# Altium PCB PMSM_Driver.PcbDoc (part 2 of 2)
Units mm, origin at the board's own origin, x right, y up, seen from the top; angles counter-clockwise.
Board outline 245.25 x 200.25 mm, 2 copper layers (Top Layer, Bottom Layer), stack 1.371 mm thick; 369 components, 141 nets, 782 pads, 0 vias.
Unrouted connection lines stored in the file: 623.
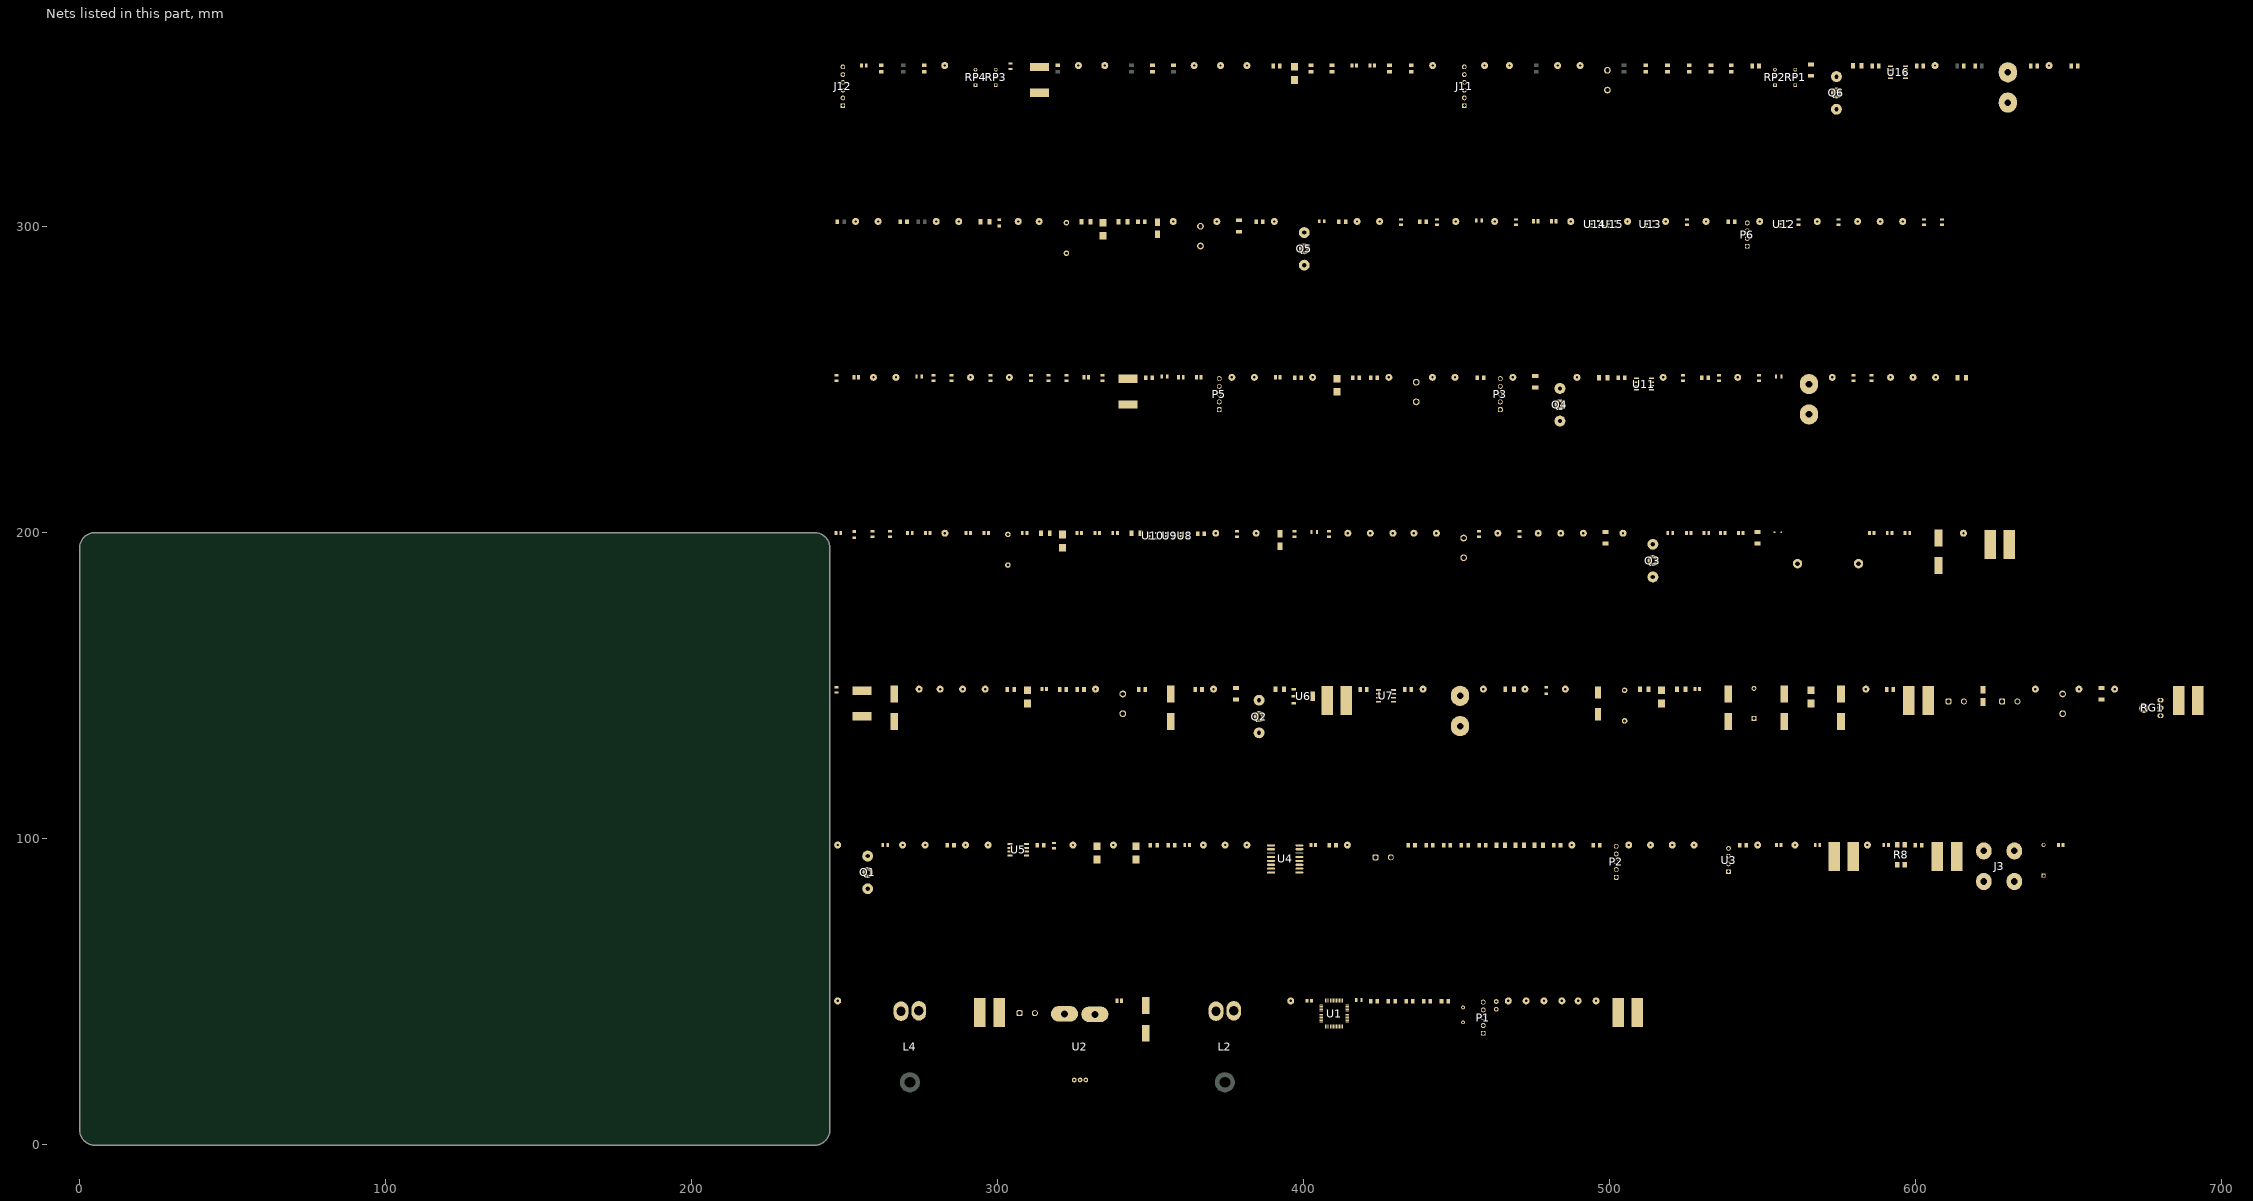
[diagram p2: the nets of this part, all layers, seen from the top]

## Part data
C1 C4: library part CMP-2007-03453-2, "Chip Multilayer Ceramic Capacitors for General Purpose, 0805, 16pF, X5R, 15%, 10%, 16V", Capacitance=10uF, Case Code (Imperial)=0805, Case Code (Metric)=2012, Dielectric=X5R, Max Operating Temperature=85°C, Min Operating Temperature=-55°C, Package Quantity=1, Tolerance=10%, Voltage=16V, Case/Package=0805, Depth=1.25mm, Height=1.25mm, Lead Free="Lead Free", Length=2mm, Material=Ceramic, Mount="Surface Mount", Packaging="Tape and Reel", Radiation Hardening=No, REACH SVHC="No SVHC", Termination=SMD/SMT, Thickness=0.053inch, Voltage Rating=16V, Voltage Rating (DC)=16V, Width=1.25mm
C2 C20 C21 C22 C30 C32 C34: library part 1000uF_10V_Size_F
C3 C8 C10 C23 C31 C35 C36 C37 C38 C39 C40 C41 C46 C48 C52 C54 C55 C56 C59 C61 C62 C64 C67 C68 C75 C76 C77: library part CMP-1036-04552-2, "CAP CER 0.22UF 50V X7R 0805", Capacitance="0.22 μF", Manufacturer=KEMET, Package=C0805C-DN, Temperature="-55°C to +125°C", Temperature Characteristic=X7R, Temperature Coefficient=30ppm/°C, Temperature Range High=+125°C, Temperature Range Low=-55°C, Tolerance=0.1, Voltage Rating="50 V", Automotive=No, Category=Cap, ComponentLink2Description=Datasheet, ComponentLink2URL=https://content.kemet.com/datasheets/KEM_C1003_C0G_SMD.pdf, Device Class L1="Passive Components", Device Class L2=Capacitors, Device Class L3="Ceramic Capacitors", Digikey Description="CAP CER 0.22UF 50V X7R 0805", Height=0.88mm, Ipc Land Pattern Name=CAPC200125X78, Lead Free=Yes, Manufacturer Part Number=C0805C224K5RACTU, Material=Ceramic, Mouser Description="CAP CER 0.22UF 50V X7R 0805", Octopart=https://octopart.com/c0805c224k5ractu-kemet-144670, RoHS=TRUE
C5: library part CMP-00287-17080245-1, "ECQ-E2224JFW ECQE, Met Polyester Film Cap Radial Lead 250VDC, 0.22uF, 5%, L/S =10mm, Blk CRMP", Capacitance=220nF, Case/Package=Radial, Dielectric=PET, Dielectric Material=Polyester, Max Operating Temperature=105°C, Min Operating Temperature=-40°C, Tolerance=5%, Voltage Rating (DC)=250V, Height - Seated (Max)=15.494mm, Lead Pitch=10mm, Length=11.9888mm, Mount="Through Hole", NexarPartId=17080245, RoHS=Compliant, Termination=Radial, Width=5.5118mm
C9 C47 C49 C53 C69: library part CMP-1036-04552-2, "CAP CER 0.22UF 50V X7R 0805", Capacitance="0.22 μF", Manufacturer=KEMET, Manufacturer Part Number=C0805C224K5RACTU, Package=C0805C-DN, Temperature="-55°C to +125°C", Temperature Characteristic=X7R, Temperature Coefficient=30ppm/°C, Temperature Range High=+125°C, Temperature Range Low=-55°C, Tolerance=0.1, Voltage Rating="50 V", Automotive=No, Category=Cap, ComponentLink2Description=Datasheet, ComponentLink2URL=https://content.kemet.com/datasheets/KEM_C1003_C0G_SMD.pdf, Device Class L1="Passive Components", Device Class L2=Capacitors, Device Class L3="Ceramic Capacitors", Digikey Description="CAP CER 0.22UF 50V X7R 0805", Height=0.88mm, Ipc Land Pattern Name=CAPC200125X78, Lead Free=Yes, Material=Ceramic, Mouser Description="CAP CER 0.22UF 50V X7R 0805", Octopart=https://octopart.com/c0805c224k5ractu-kemet-144670, RoHS=TRUE
C12 C13 C14 C24 C29 C45 C58 C70 C74: library part CAP-NON-POLAR
C16: library part CMP-1036-04552-2, "CAP CER  2.2UF 50V X7R 0805", Capacitance="0.22 μF", Manufacturer=KEMET, Manufacturer Part Number=C0805C224K5RACTU, Package=C0805C-DN, Temperature="-55°C to +125°C", Temperature Characteristic=X7R, Temperature Coefficient=30ppm/°C, Temperature Range High=+125°C, Temperature Range Low=-55°C, Tolerance=0.1, Voltage Rating="50 V", Automotive=No, Category=Cap, ComponentLink2Description=Datasheet, ComponentLink2URL=https://content.kemet.com/datasheets/KEM_C1003_C0G_SMD.pdf, Device Class L1="Passive Components", Device Class L2=Capacitors, Device Class L3="Ceramic Capacitors", Digikey Description="CAP CER 0.22UF 50V X7R 0805", Height=0.88mm, Ipc Land Pattern Name=CAPC200125X78, Lead Free=Yes, Material=Ceramic, Mouser Description="CAP CER 0.22UF 50V X7R 0805", Octopart=https://octopart.com/c0805c224k5ractu-kemet-144670, RoHS=TRUE
C19: library part CMP-1036-04552-2, "CAP CER 2.2UF 50V X7R 0805", Capacitance="0.22 μF", Manufacturer=KEMET, Manufacturer Part Number=C0805C224K5RACTU, Package=C0805C-DN, Temperature="-55°C to +125°C", Temperature Characteristic=X7R, Temperature Coefficient=30ppm/°C, Temperature Range High=+125°C, Temperature Range Low=-55°C, Tolerance=0.1, Voltage Rating="50 V", Automotive=No, Category=Cap, ComponentLink2Description=Datasheet, ComponentLink2URL=https://content.kemet.com/datasheets/KEM_C1003_C0G_SMD.pdf, Device Class L1="Passive Components", Device Class L2=Capacitors, Device Class L3="Ceramic Capacitors", Digikey Description="CAP CER 0.22UF 50V X7R 0805", Height=0.88mm, Ipc Land Pattern Name=CAPC200125X78, Lead Free=Yes, Material=Ceramic, Mouser Description="CAP CER 0.22UF 50V X7R 0805", Octopart=https://octopart.com/c0805c224k5ractu-kemet-144670, RoHS=TRUE
C27: library part CMP-05427-000015-1, "CAP ALUM 100UF 20% 50V SMD", Capacitance=100uF, Leakage Current=100uA, Manufacturer=Panasonic, Package=SF, Ripple Current=200mA, Temperature="-40°C to +85°C", Temperature Range High=+85°C, Temperature Range Low=-40°C, Tolerance=20%, Voltage=50V, Automotive=Yes, Automotive Grade="Grade 3", Category=Cap, ComponentLink2Description=Datasheet, ComponentLink2URL=https://industrial.panasonic.com/cdbs/www-data/pdf/RDE0000/ABA0000C1145.pdf, Device Class L1="Passive Components", Device Class L2=Capacitors, Device Class L3="Aluminum Electrolytic Capacitors", Digikey Description="CAP ALUM 100UF 20% 50V SMD", Dissipation Factor=0.12%, Height=10.5mm, Lead Free=Yes, Life=2000Hours, Manufacturer Part Number=EEE-1HA101UP, Material=Aluminum, Mouser Description="Cap Aluminum Lytic 100uF 50V 20% (8 X 10.2mm) SMD 200mA 2000h 85C Automotive T/R", Octopart=https://octopart.com/eee-1ha101up-panasonic-55396734, RoHS=TRUE, Voltage Rating=50V
D8 D11 D14 D15 D17 D18 D20: library part CMP-249167-000001-1, "DIODE GEN PURP 75V 150MA SOD80", Capacitance=4pF, Forward Current=300mA, Manufacturer="Vishay Small Signal", Max Junction Temp=+175°C, Max Repetitive Reverse Voltage=100V, Max Surge Forward Current=2A, Package=6.560-5005.01-4, Peak Reverse Current=5uA, Reverse Voltage=75V, Temperature="to +175°C", Automotive=Yes, Automotive Grade="Grade 0", Category=Diode, ComponentLink2Description=Datasheet, ComponentLink2URL=http://www.vishay.com/docs/85557/ll4148.pdf, Device Class L1="Discrete Semiconductors", Device Class L2=Diodes, Device Class L3="Rectifier Diodes", Digikey Description="DIODE GEN PURP 75V 150MA SOD80", Height=1.6mm, Lead Free=Yes, Manufacturer Part Number=LL4448-GS08, Mouser Description="Diodes - General Purpose, Power, Switching 100 Volt 100mA", Octopart=https://octopart.com/ll4448-gs08-vishay+small+signal-40886, RoHS=TRUE, Temperature Range High=+175°C
D9 D16 D19: library part CMP-12791-000009-1, "DIODE GEN PURP 400V 1A SMA", Capacitance=20pF, Forward Current=1A, Manufacturer="Diodes Inc.", Max Junction Temp=+150°C, Max Repetitive Reverse Voltage=400V, Max Surge Forward Current=30A, Package=SMA, Peak Reverse Current=5uA, Temperature="-65°C to +150°C", Temperature Range Low=-65°C, Automotive=No, Category=Diode, ComponentLink2Description=Datasheet, ComponentLink2URL=https://www.diodes.com/assets/Datasheets/ds16008.pdf, Device Class L1="Discrete Semiconductors", Device Class L2=Diodes, Device Class L3="Rectifier Diodes", Digikey Description="DIODE GEN PURP 400V 1A SMA", Footprint Url=https://www.diodes.com/assets/Package-Files/SMA.pdf, Height=2.4mm, Lead Free=Yes, Manufacturer Part Number=US1G-13-F, Mouser Description="Rectifiers 400V 1A", Octopart=https://octopart.com/us1g-13-f-diodes+inc.-334651, Reverse Voltage=400V, RoHS=TRUE, Standoff Height=0.05mm, Temperature Range High=+150°C
D10: library part CMP-02541-000001-1, "DIODE ZENER 15V 1.3W DO41", Manufacturer=Vishay, Max Junction Temp=+175°C, Max Reverse Leakage Current=0.5uA, Max Zener Voltage=15.6V, Nom Zener Voltage=15V, Package=6.561-5001.02-4, Power Dissipation=1300mW, Reverse Voltage=11V, Temperature="to +175°C", Automotive=Yes, Automotive Grade="Grade 0", Category=Diode, ComponentLink2Description=Datasheet, ComponentLink2URL=http://www.vishay.com/docs/85607/bzx85.pdf, Device Class L1="Discrete Semiconductors", Device Class L2=Diodes, Device Class L3="Zener Diodes", Digikey Description="DIODE ZENER 15V 1.3W DO41", Height=2.6mm, Lead Free=Yes, Manufacturer Part Number=BZX85C15-TAP, Mouser Description="Zener Diodes 15 Volt 1.3 Watt 5%", Octopart=https://octopart.com/bzx85c15-tap-vishay-55401762, RoHS=TRUE, Temperature Range High=+175°C, Zener Impedance=15Ω
D13: library part CMP-14400-000025-1, "DIODE ZENER 5.1V 300MW SOD323"
J2 J4 J6 J7: "WR-TBL Series 101 Horizontal Entry Modular, THT, pitch 5mm, 2p", Manufacturer="Wurth Elektronik", Operating Temperature Max=105°C, Operating Temperature Min=-40°C, Rated Current=16A, Working Voltage=250V, Application="Pressure Clamp", Category="Terminal Blocks", ComponentLink1Description="Website Link", ComponentLink1URL=https://www.we-online.com/redexpert/article/691101710002?ad, ComponentLink2Description="Datasheet Link", ComponentLink2URL=https://www.we-online.com/redexpert/spec/691101710002?ad, Manufacturer Part Number=691101710002, Match Code=WR-TBL, Modularity=Yes, Mount="Through Hole", Number of Pins=2, Number of Rows=1, Orientation=Horizontal, Packaging=Box, Pitch=5mm
J3: library part Connector_Tianli_T-800
J8 J9 J10: library part Connector_MEIGAN_MG136HT
L1 L3 L5 L6 L7 L8 L9 L10: library part CMP-0227-00501-2, Ambient Temperature Range High=85°C, Ambient Temperature Range Low=-40°C, Current Rating=620mA, DC Resistance (DCR)=500mΩ, Inductance=270µH, Max Operating Temperature=125°C, Self Resonant Frequency=4MHz, Height=5.4mm, Length=9mm, Min Operating Temperature=-40°C, NexarPartId=24533346, Packaging=Digi-Reel®, RoHS=Compliant, Width=10mm
P1 P2 P3 P5: "WR-PHD Pin Header, THT, Vertical, pitch 2.54mm, 1 Row, 5P", Contact Resistance=20mΩ, Manufacturer="Wurth Elektronik", Operating Temperature Max=105°C, Operating Temperature Min=-40°C, Rated Current=3A, Withstanding Voltage=500V, Working Voltage=250V, Category="Board-to-Board Connectors", ComponentLink1Description="Website Link", ComponentLink1URL=https://www.we-online.com/redexpert/article/61300511121?ad, ComponentLink2Description="Datasheet Link", ComponentLink2URL=https://www.we-online.com/redexpert/spec/61300511121?ad, Gender="Pin Header", Manufacturer Part Number=61300511121, Match Code=WR-PHD, Mount="Through Hole", Number of Pins=5, Number of Rows=1, Orientation=Vertical, Packaging=Bag, Pitch=2.54mm
P6: library part CMP-1024-00357-1, "0.025\" SQ Post Header, Through-hole, Vertical, -55 to 125 degC, 2.54 mm Pitch, 4-Pin, Male, RoHS", Manufacturer=Samtec, Temperature Range="-55 to 125 degC", ComponentLink1Description="Manufacturer URL", ComponentLink1URL=http://www.samtec.com, ComponentLink2Description=Datasheet, ComponentLink2URL=http://www.samtec.com/documents/webfiles/pdf/TSW_TH.PDF, ComponentLink3Description="Package Specification", ComponentLink3URL=http://www.samtec.com/documents/webfiles/cpdf/TSW-XXX-XX-XXX-X-XX-XXX-MKT.pdf, DatasheetVersion=F-214, Mounting Technology=Through-hole, Orientation=Vertical, PackageDescription=".025[0.64] SQ. Post Terminal Strip Assembly", PackageReference=TSW-104-08-X-S, PackageVersion="DM, 8/1988", PartNumber=TSW-104-08-G-S, Pitch="2.54 mm", RoHS=True
R1 R2 R3 R4 R5 R6 R7 R9 R10 R12 R13 R14 R15 R16 R17 R18 R19 R20 R21 R22 R24 R26 R28 R29 R30 R31 R32 R33 R34 R35 R39 R40 R41 R42 R43 R44 R45 R46 R47 R49 R50 R51 R52 R53 R54 R55 R56 R57 R58 R59 R60 R62 R63 R66 R68 R69 R70 R71 R72 R74 R75 R76 R77 R78 R79 R80 R81 R83 R84 R85 R87 R88 R94 R97 R98 R103 R104 R107 R108 R114 R116 R118: library part RC0805FR-07100KL
R8: library part RES-CONST
R25 R27 R38 R48 R86 R89: library part CMP-03412-028725-1, "RES SMD 10 OHM 1% 1/8W 0805", Manufacturer=Yageo, Manufacturer Part Number=RT0805FRE0710RL, Package=RT0805, Power Rating=0.125W, Resistance=10Ω, Temperature="-55°C to +155°C", Temperature Coefficient="50 ppm/°C", Temperature Range High=+155°C, Temperature Range Low=-55°C, Tolerance=0.0001, Voltage Rating=150V, Automotive=No, Category=Res, ComponentLink2Description=Datasheet, ComponentLink2URL=http://www.yageo.com/documents/recent/PYu-RT_1-to-0.01_RoHS_L_9.pdf, Composition="Thin Film", Device Class L1="Passive Components", Device Class L2=Resistors, Device Class L3="Chip SMD Resistors", Digikey Description="RES SMD 10 OHM 1% 1/8W 0805", Footprint Url=http://www.yageo.com/exep/pages/download/literatures/PYu-R_Mount_10.pdf, Height=0.6mm, Ipc Land Pattern Name=RESC200125X50, Lead Free=Yes, Mouser Description="High Precision-High Stability Chip Resistor Thin Film 0805 10Ohm 1% Paper T/R", Octopart=https://octopart.com/rt0805fre0710rl-yageo-39855890, RoHS=TRUE, Series=RT
R61 R65 R67 R82: library part RC0805FR-07100KL, "100K"
RG1: "REG IC REG LINEAR 5V 1A TO220AB", Current-Output=1A, Digikey Part Number=LM7805CT-ND, Manufacturer=Fairchild, Mouser Part Number=512-LM7805CT, Package=TO220, Part Number=LM7805CT, Temperature="-40°C to +125°C", Temperature Range High=+125°C, Temperature Range Low=-40°C, Voltage - Input (Max)=35V, Voltage - Output=5V, Voltage Dropout (Max)="2V @ 1A (Typ)", ComponentLink1Description=Upverter, ComponentLink1URL=https://upverter.com/upn/revision/b27a7358b7dd93a3/, ComponentLink2Description=Datasheet, ComponentLink2URL=https://www.fairchildsemi.com/datasheets/LM/LM7805.pdf, Digikey Description="REG IC REG LINEAR 5V 1A TO220AB", helpURL=https://upverter.com/upn/revision/b27a7358b7dd93a3/, Ipc Land Pattern Name=TO-220, Lead Free=yes, Price=0.384521982769, RoHS=TRUE, Supplier 1=Digi-Key, Supplier 2=Mouser, Supplier Part Number 1=LM7805CT-ND, Supplier Part Number 2=512-LM7805CT
RP1 RP2 RP3 RP4: library part 3296W-1-202LF
TP1 TP2 TP3 TP4 TP5 TP6 TP7 TP8 TP9 TP10 TP11 TP12 TP13 TP14 TP15 TP16 TP17 TP18 TP19 TP20 TP21 TP22 TP23 TP24 TP25 TP26 TP27 TP28 TP29 TP30 TP31 TP32 TP33 TP34 TP35 TP36 TP37 TP38 TP39 TP40 TP41 TP42 TP43 TP44 TP45 TP46 TP47 TP48 TP49 TP50 TP51 TP52 TP53 TP54 TP55 TP56 TP57 TP58 TP59 TP60 TP61 TP62 TP63 TP64 TP65 TP66 TP67 TP68 TP69 TP70 TP71 TP72 TP73 TP74 TP75 TP76 TP77 TP78 TP79 TP80 TP81 TP82 TP83 TP84 TP85 TP86 TP87 TP88 TP89 TP90 TP91 TP92 TP93 TP94 TP95 TP96 TP97 TP98 TP99 TP100 TP101 TP102 TP103 TP104 TP105 TP106 TP107 TP108: library part TP_PCB?, "Test_Point"
U1: "No Description Available", Mfr_Name=STMicroelectronics, RefDes=RefDes, Type=Type
U3: library part B0505s-1W, "DC DC Converter 5V 1W"
U4: library part CMP-0534-00565-1, "Quad Channel Digital Isolator, 2.5 KV rms Insulation Rating, 10 Mbps Data Rate, 50 ns Delay, Industrial, 16-pin SOIC (RW-16), Tube", Manufacturer="Analog Devices", Max Operating Temp (degreesC)=125, Code_JEDEC=MS-013-AA, ComponentLink1Description="Manufacturer URL", ComponentLink1URL=http://www.analog.com/en/index.html, ComponentLink2Description=Datasheet, ComponentLink2URL=http://www.analog.com/static/imported-files/data_sheets/ADuM1400_1401_1402.pdf, ComponentLink3Description="Package Specification", ComponentLink3URL=http://www.analog.com/static/imported-files/packages/PKG_PDF/SOIC_WIDE%20%28RW%29/RW_16.pdf, ComponentLink4Description="URL Link1", ComponentLink4URL="Product URL:http://www.analog.com/en/interface-isolation/digital-isolators/adum1401/products/product.html", ComponentLink5Description="URL Link2", ComponentLink5URL="Reference Circuit:http://www.analog.com/en/interface-isolation/digital-isolators/adum1401/products/product.html#product-recommendations", DatasheetVersion="Rev. H", Max Data Rate=10Mbps, Mounting Technology="Surface Mount", PackageDescription="16-Pin Standard Small Outline Package, Body 10.3 x 7.5 mm, Pitch 1.27 mm", PackageReference=RW-16, PackageVersion="032707-B, 03/2007", PartNumber=ADUM1401BRWZ
U6: library part CMP-0062-01639-4, "800mA Low-Dropout Linear Regulator, 4-pin SOT-223, Pb-Free", Manufacturer="Texas Instruments", PackageTopMarking=XYTT*N05A, PowerWise=N, Code_IPC=SOT223-4, Code_JEDEC=TO-261-AA, ComponentLink1Description="Datasheet URL", ComponentLink1URL=http://www.ti.com/general/docs/lit/getliterature.tsp?genericPartNumber=LM1117-N&fileType=pdf, CompType="LDO IC", High-Reliability=Y, PackageDescription="Molded SOT-223, 6.50 x 3.56 x 1.6mm Body, 4 Lead, 2.3mm Pitch", PackageReference=DCY0004A, PartNumber=LM1117MPX-3.3/NOPB, PinCount=4, RoHS=Y
U8 U9 U10 U12 U13 U14 U15: library part MCP6001T
Y1: library part CMP-1749-00004-1, "Resistance Weld Thru-Hole Crystal, 12 MHz, +/-30 ppm, -20 to 70 degC, 2-Pin THD, RoHS, Bulk", Case\Package=TO-251-3, Input Capacitance="350 pF", Max Operating Temperature="150 degC", Max Power Dissipation="2.5 W", Min Operating Temperature="-55 degC", Package Quantity=70, ComponentLink1Description="Manufacturer URL", ComponentLink1URL=http://www.foxonline.com/, ComponentLink2Description=Datasheet, ComponentLink2URL=http://www.foxonline.com/pdfs/hc49slf.pdf, DatasheetVersion=Mar-15, Elements=1, Height="6.1 mm", Length="6.6 mm", Mount="Through Hole", PackageDescription="2-Pin Through Hole Device, Body 11.35 x 4.65 mm, Pitch 4.88 mm", PackageReference=FOXSLF-2, Packaging=Rail/Tube, Pins=3, Radiation Hardening=No, Rds On Max="115 mohm", REACH SVHC="No SVHC", RoHSCompliant=true, Typical Rise Time="90 ns", Width="2.3 mm"

## Nets (pads, with @x,y where several pads share a name; then routed paths per layer and width w, separated by ;. In a path a pad name is that pad's centre, name@x,y a point inside that pad or via, vN(x,y) a via of type N, cw(c..) or ccw(c..) an arc to the next point about the centre after c; other vN are vias at no path point)
+3V3: C32.1 C36.1 D13.1 J11.1 J12.1 L9.2 L10.2 P3.4 P5.4 P6.1 R13.2 R14.2 R46.1 R47.1 TP12.1 TP36.1 TP41.1
+3V3_All: C22.1 C23.1 C39.1 C40.1 C41.1 C59.1 C61.1 C62.1 C64.1 L8.2 R61.1 R65.1 R67.1 R68.1 TP31.1 U8.5 U9.5 U10.5 U12.5 U13.5 U14.5 U15.5
+5V: C8.1 C20.1 C75.1 C76.1 J6.1 J11.2 L1.1 L7.2 P1.5 P2.5 P3.5 P5.5 R91.2 R111.2 RP1.1 RP2.1 RP3.1 RP4.1 TP90.1 TP91.1 U2.1 U6.3
+5V_ISO: C10.1 R12.2 R15.2 R16.2 TP11.1 U3.4 U4.10 U4.16 U5.8
+5V_RS: C2.1 C3.1 L1.2 TP25.1 U3.2 U4.1 U4.7
GND: BT1.1 C1.2 C2.2 C3.2 C4.2 C5.2 C8.2 C9.2 C12.1 C13.1 C14.1 C16.1 C19.1 C20.2 C21.2 C22.2 C23.2 C25.1 C27.1 C30.2 C31.2 C32.2 C34.2 C35.2 C36.2 C37.2 C38.2 C39.2 C40.2 C41.2 C46.2 C48.2 C50.1 C52.2 C54.2 C55.2 C56.2 C59.2 C61.2 C62.2 C64.2 C67.2 C68.2 C69.2 C71.1 C75.2 C76.2 C77.2 D10.2 D13.2 J2.2 J3.1 J4.1 J6.2 J7.1 J11.6 J12.6 P1.1 P2.1 P3.1 P5.1 P6.4 R9.2 R17.1 R19.1 R24.1 R28.1 R29.1 R33.1 R36.1 R51.2 R53.2 R54.1 R55.2 R56.1 R59.1 R62.2 R64.1 R79.2 R80.2 R81.2 R83.2 R84.2 R87.2 R97.1 R98.1 R104.2 R108.1 R109.1 R110.1 R117.1 R118.2 R120.1 RG1.2 RP1.3 RP2.3 RP3.3 RP4.3 U1.8 U1.23 U1.35 U1.47 U2.2 U3.1 U4.2 U4.8 U6.1 U7.3 U8.2 U9.2 U10.2 U11.3 U12.2 U13.2 U14.2 U15.2 U16.3 ZD3.1
GND_2: C10.2 R22.1 TP26.1 U3.3 U4.9 U4.15 U5.5 ZD1.1 ZD2.1
NetBT1_2: BT1.2 D14.1 U1.1
NetC1_1: C1.1 U1.5 Y1.2
NetC4_1: C4.1 U1.6 Y1.1
NetC9_1: C9.1 R34.1 U1.7
NetC16_2: C16.2 R7.1 R17.2 TP13.1 U1.10
NetC19_2: C19.2 R10.1 R19.2 TP16.1 U1.11
NetC21_1: C21.1 L7.1 RG1.3 TP27.1
NetC24_1: C24.1 C28.1 C29.2 J8.1 Q1.3 Q2.2 R26.1 R66.1 TP35.1 U7.6 VD3.1 VD4.2 ZD4.1
NetC26_2: C26.2 C29.1 Q2.3 R35.2 R36.2 TP38.1 TP39.1 VD4.1 ZD5.1
NetC28_2: C28.2 D9.1 TP29.1 U7.8
NetC30_1: C30.1 C31.1 L8.1 L9.1 R31.2 TP34.1 U6.2 U6.4
NetC33_1: C34.1 C35.1 C38.1 D14.2 L10.1 R34.2 TP40.1 U1.9 U1.24 U1.36 U1.48
NetC37_1: C37.1 C67.1 C77.1 R35.1 R42.2 R63.1 R116.1 TP42.1 TP70.1 TP108.1
NetC45_1: C45.1 C57.1 C58.2 J9.1 Q3.3 Q4.2 R45.1 R71.1 TP60.1 U11.6 VD5.1 VD6.2 ZD6.1
NetC46_1: C46.1 R39.1 TP50.1 U8.3
NetC47_1: C47.1 R49.2 R51.1 TP57.1 U8.4
NetC47_2: C47.2 R41.2 R49.1 TP53.1 TP61.1 U8.1
NetC48_1: C48.1 R40.1 TP48.1 U9.3
NetC49_1: C49.1 R50.2 R53.1 TP58.1 U9.4
NetC49_2: C49.2 R43.2 R50.1 TP54.1 TP62.1 U9.1
NetC51_2: C51.2 C58.1 Q4.3 R63.2 R64.2 TP68.1 TP69.1 VD6.1 ZD7.1
NetC52_1: C52.1 R41.1 TP44.1 U1.14
NetC53_1: C53.1 R52.2 R55.1 TP59.1 U10.4
NetC53_2: C53.2 R44.2 R52.1 TP51.1 TP63.1 U10.1
NetC54_1: C54.1 R42.1 TP47.1 U10.3
NetC55_1: C55.1 R44.1 TP52.1 U1.16
NetC56_1: C56.1 R43.1 TP45.1 U1.15
NetC57_2: C57.2 D16.1 TP46.1 U11.8
NetC68_1: C68.1 R75.1 R76.2 TP74.1
NetC69_1: C69.1 R76.1 TP75.1 U13.3
NetC70_1: C70.1 C73.1 C74.2 J10.1 Q5.3 Q6.2 R70.1 R88.1 TP97.1 U16.6 VD7.1 VD8.2 ZD8.1
NetC72_2: C72.2 C74.1 Q6.3 R116.2 R117.2 TP104.1 TP105.1 VD8.1 ZD9.1
NetC73_2: C73.2 D19.1 TP88.1 U16.8
NetD1_1: R5.1
NetD2_1: R1.1
NetD3_1: R2.1
NetD4_1: R3.1
NetD5_1: R4.1
NetD6_1: R6.1
NetD7_1: R21.1
NetD8_1: D8.1 R25.1 R27.2 TP28.1
NetD8_2: D8.2 Q1.1 R25.2 R26.2 ZD4.2
NetD11_1: D11.1 R30.1 R32.2 TP37.1
NetD11_2: D11.2 Q2.1 R32.1 R33.2 ZD5.2
NetD12_1: R31.1
NetD15_1: D15.1 R38.1 R48.2 TP43.1
NetD15_2: D15.2 Q3.1 R38.2 R45.2 ZD6.2
NetD17_1: D17.1 R57.1 R58.2 TP66.1
NetD17_2: D17.2 Q4.1 R58.1 R59.2 ZD7.2
NetD18_1: D18.1 R86.1 R89.2 TP87.1
NetD18_2: D18.2 Q5.1 R86.2 R88.2 ZD8.2
NetD20_1: D20.1 R103.1 R107.2 TP102.1
NetD20_2: D20.2 Q6.1 R107.1 R108.2 ZD9.2
NetD21_1: R92.2 R100.2 R102.2 TP95.1
NetD21_2: R92.1 R111.1 R115.2 R120.2 RP4.2 TP107.1
NetD21_3: R91.1 RP2.2 TP101.1
NetD21_5: RP1.2 TP100.1
NetD21_6: R93.1 RP3.2 TP106.1
NetD21_7: R99.2 R101.2 TP94.1
NetJ1_1: J1.1 L2.1
NetJ2_1: J2.1 L2.2
NetJ3_2: J3.2 U2.4
NetJ5_1: R22.2 TP24.1 U5.7 ZD2.2
NetJ5_3: R12.1 TP20.1 U5.6 ZD1.2
NetJ11_3: J11.3 R13.1 TP22.1 U1.38 U4.6
NetJ11_4: J11.4 R14.1 TP19.1 U1.39 U4.4
NetJ11_5: J11.5 R21.2 R24.2 TP18.1 U1.40 U4.5
NetJ12_2: J12.2 P6.2 U1.34
NetJ12_3: J12.3 P6.3 U1.37
NetJ12_4: J12.4 U1.42
NetJ12_5: J12.5
NetLED1_2: R100.1
NetLED2_2: R99.1
NetP1_2: P1.2 R3.2 TP6.1 U1.3
NetP1_3: P1.3 R2.2 TP5.1 U1.2
NetP1_4: P1.4 R1.2 TP4.1 U1.41
NetP2_2: P2.2 R6.2 R75.2 TP3.1 U1.33
NetP2_3: P2.3 R5.2 TP2.1 U1.22
NetP2_4: P2.4 R4.2 TP1.1 U1.4
NetP3_2: P3.2 P5.2 R47.2 TP65.1 U1.45
NetP3_3: P3.3 P5.3 R46.2 TP64.1 U1.43
NetP4_2: R60.2
NetP7_2: R78.2
NetP8_2: R85.2
NetP9_2: R95.1
NetP10_2: R96.2
NetP11_2: R94.2
NetP12_2: R112.2
NetP14_2: R114.2
NetR8_1: R8.1
NetR9_1: R9.1 U1.44
NetR10_2: R10.2 TP15.1 U2.3
NetR11_1: 
NetR15_1: R15.1 R20.1 TP23.1 U5.1
NetR16_1: R16.1 R18.1 TP17.1 U5.4
NetR18_2: R18.2 U4.13
NetR20_2: R20.2 U4.11
NetR23_2: TP21.1 U4.12 U5.2 U5.3
NetR27_1: R27.1 U7.7
NetR28_2: R28.2 TP33.1 U1.17 U7.2
NetR29_2: R29.2 TP32.1 U1.29 U7.1
NetR30_2: R30.2 U7.4
NetR39_2: R39.2
NetR40_2: R40.2
NetR48_1: R48.1 U11.7
NetR54_2: R54.2 TP55.1 U1.18 U11.2
NetR56_2: R56.2 TP56.1 U1.30 U11.1
NetR57_2: R57.2 U11.4
NetR60_1: R60.1 R62.1 TP67.1 U1.21
NetR61_2: R61.2 TP80.1 U1.32 U12.1
NetR65_2: R65.2 TP79.1 U1.28 U15.1
NetR66_2: R66.2 R69.2 R79.1 TP71.1 U12.3
NetR67_2: R67.2 TP82.1 U1.46 U14.1
NetR68_2: R68.2 R82.2 R84.1 TP85.1 U13.4
NetR69_1: R69.1 R72.1 R74.1 R77.2 TP77.1 TP81.1 TP83.1 TP84.1 U12.4 U14.4 U15.4
NetR70_2: R70.2 R72.2 R80.1 TP72.1 U15.3
NetR71_2: R71.2 R74.2 R81.1 TP73.1 U14.3
NetR77_1: R77.1 R82.1 TP76.1 U13.1
NetR78_1: R78.1 R83.1 TP78.1 U1.25
NetR85_1: R85.1 R87.1 TP86.1 U1.26
NetR89_1: R89.1 U16.7
NetR94_1: R94.1 R104.1 TP96.1 U1.27
NetR97_2: R97.2 TP93.1 U1.19 U16.2
NetR98_2: R98.2 TP92.1 U1.31 U16.1
NetR101_1: R101.1 R109.2 TP98.1 U1.13
NetR102_1: R102.1 R110.2 TP99.1 U1.12
NetR103_2: R103.2 U16.4
NetR114_1: R114.1 R118.1 TP103.1 U1.20
V_BAT: C5.1 C24.2 C26.1 C45.2 C51.1 C70.2 C72.1 L4.2 Q1.2 Q3.2 Q5.2 TP7.1 VD3.2 VD5.2 VD7.2
V_PS: J1.2 L4.1 R7.2 R8.2 U2.5
VCC: C27.2 D10.1 J4.2 J7.2 L3.1 L5.1 L6.1 RG1.1 TP10.1 ZD3.2
VCC_DRV_1: C12.2 L6.2 TP14.1
VCC_DRV_2: C13.2 C25.2 C50.2 D9.2 D16.2 L5.2 TP9.1 TP30.1 TP49.1 U7.5 U11.5
VCC_DRV_3: C14.2 C71.2 D19.2 L3.2 TP8.1 TP89.1 U16.5
pads on no net: L2.GND L4.GND R90.1 R90.2 R93.2 R95.2 R96.1 R105.1 R105.2 R106.1 R106.2 R112.1 R113.1 R113.2 R115.1 R119.1 R119.2 U4.3 U4.14

## Silkscreen, mask and mechanical layers (free items; w line width, h text height)
Bottom Solder:
  text "1" at 183.65,942.463 h2.5
  text "2" at 391.743,942.463 h2.5
  text "3" at 600.157,942.463 h2.5
  text "4" at 808.41,942.463 h2.5
  text "5" at 1016.824,942.463 h2.5
  text "6" at 1225.077,942.463 h2.5
  text "1" at 176.072,941.317 h2.5
  text "2" at 384.164,941.317 h2.5
  text "3" at 592.578,941.317 h2.5
  text "4" at 800.831,941.317 h2.5
  text "5" at 1009.245,941.317 h2.5
  text "6" at 1217.498,941.317 h2.5
  text "A" at 81.938,844.829 h2.5
  text "A" at 1326.95,844.829 h2.5
  text "A" at 74.359,843.683 h2.5
  text "A" at 1319.372,843.683 h2.5
  text "B" at 82.099,644.729 h2.5
  text "B" at 1327.111,644.729 h2.5
  text "B" at 74.52,643.583 h2.5
  text "B" at 1319.533,643.583 h2.5
  text "G" at 1184.36,519.385 h2.5
  text "N" at 1185.971,519.385 h2.5
  text "D" at 1187.582,519.385 h2.5
  text "G" at 1176.781,518.239 h2.5
  text "N" at 1178.392,518.239 h2.5
  text "D" at 1180.003,518.239 h2.5
  text "C" at 82.099,444.468 h2.5
  text "C" at 1327.111,444.468 h2.5
  text "C" at 74.52,443.322 h2.5
  text "C" at 1319.533,443.322 h2.5
  text "D" at 1327.111,244.207 h2.5
  text "D" at 1319.533,243.061 h2.5
  text "4" at 808.41,146.574 h2.5
  text "5" at 1016.824,146.574 h2.5
  text "6" at 1225.077,146.574 h2.5
  text "4" at 800.831,145.428 h2.5
  text "5" at 1009.245,145.428 h2.5
  text "6" at 1217.498,145.428 h2.5

## Text inside footprints (layer, text, board x,y; h text height)
C2: Top Overlay "-" at 345.916,36.693 h1.52 r90; Top Overlay "+" at 346.17,44.694 h1.52 r90
C20: Top Overlay "-" at 573.166,138.593 h1.52 r90; Top Overlay "+" at 573.42,146.594 h1.52 r90
C21: Top Overlay "-" at 554.626,138.593 h1.52 r90; Top Overlay "+" at 554.88,146.594 h1.52 r90
C22: Top Overlay "-" at 536.336,138.593 h1.52 r90; Top Overlay "+" at 536.59,146.594 h1.52 r90
C30: Top Overlay "-" at 354.126,138.593 h1.52 r90; Top Overlay "+" at 354.38,146.594 h1.52 r90
C32: Top Overlay "-" at 263.746,138.593 h1.52 r90; Top Overlay "+" at 264,146.594 h1.52 r90
C34: Top Overlay "-" at 605.046,189.543 h1.52 r90; Top Overlay "+" at 605.3,197.544 h1.52 r90
P1: Top Overlay "1" at 456.939,36.371 h1.02 r90; Top Overlay "5" at 456.939,46.271 h1.02 r90
P2: Top Overlay "1" at 500.399,87.321 h1.02 r90; Top Overlay "5" at 500.399,97.221 h1.02 r90
P3: Top Overlay "1" at 462.519,240.17 h1.02 r90; Top Overlay "5" at 462.519,250.07 h1.02 r90
P5: Top Overlay "1" at 370.679,240.17 h1.02 r90; Top Overlay "5" at 370.679,250.07 h1.02 r90
U7: Top Overlay "*" at 423.874,149.057 h1.27; Mechanical 13 "*" at 424.929,147.926 h1.27
U11: Top Overlay "*" at 508.194,250.956 h1.27; Mechanical 13 "*" at 509.249,249.826 h1.27
U16: Top Overlay "*" at 591.213,352.856 h1.27; Mechanical 13 "*" at 592.268,351.726 h1.27